# Altium PCB Mirny.PcbDoc (part 8 of 8)
Units mm, origin at the board's own origin, x right, y up, seen from the top; angles counter-clockwise.
Board outline 161.99 x 100.04 mm, 6 copper layers (L1, P2, L3, L4, P5, L6), stack 1.56 mm thick; 832 components, 485 nets, 2438 pads, 1482 vias.
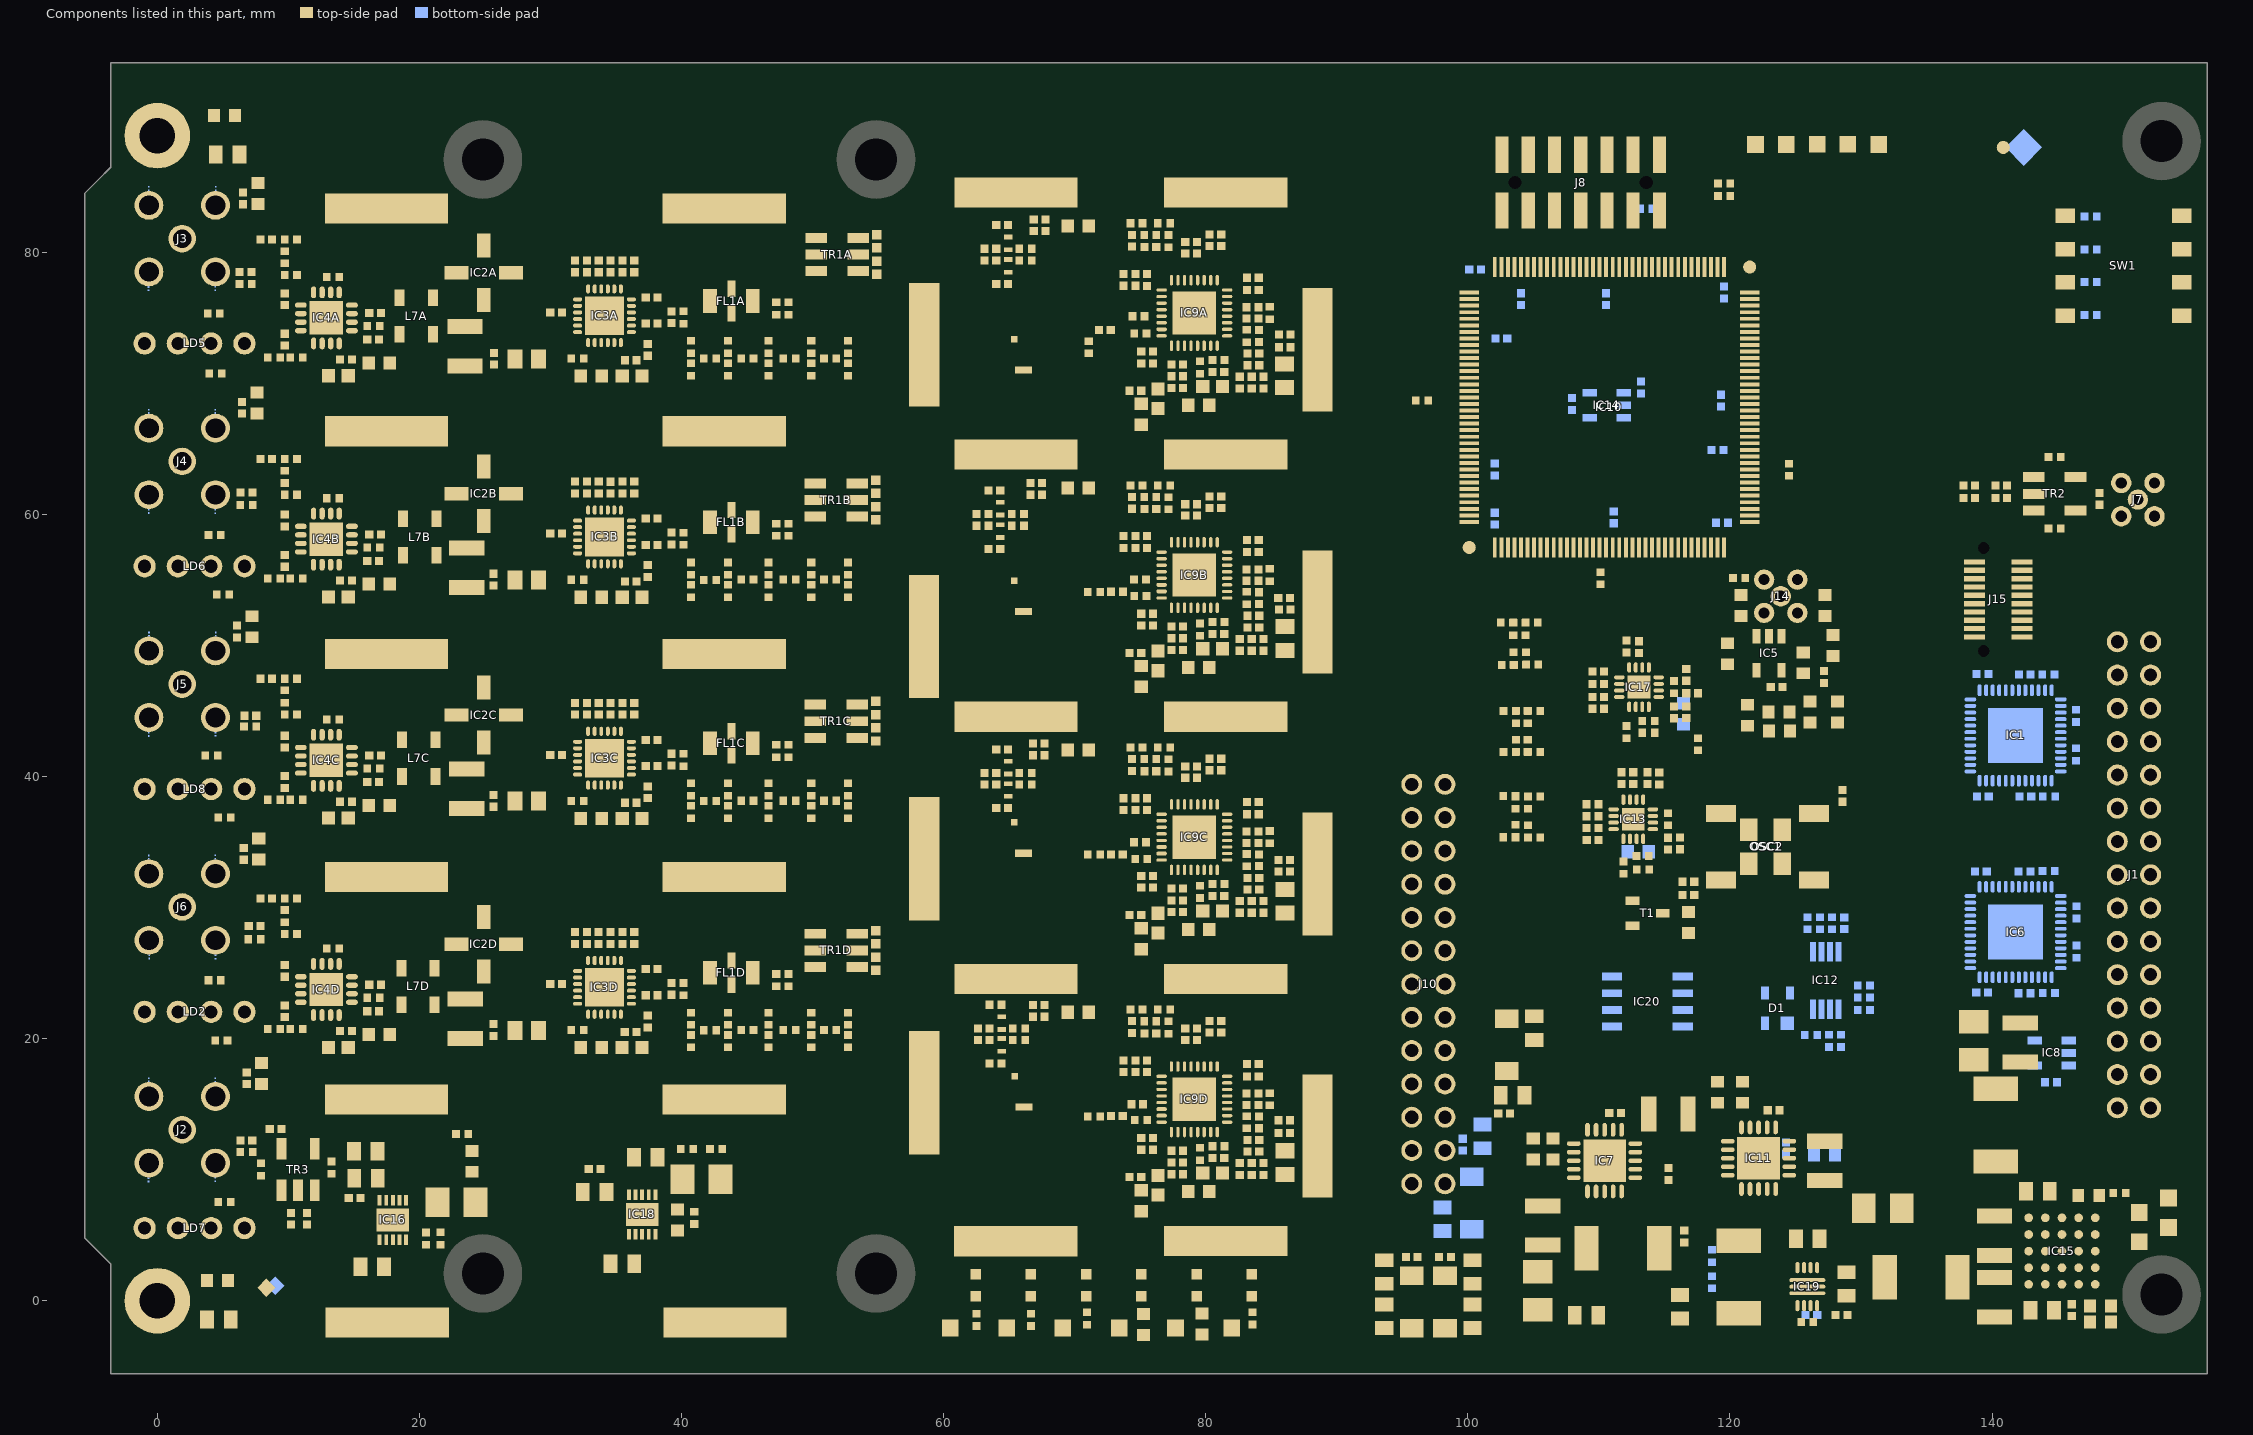
[diagram p12: the components of this part, seen from the top]

## Other copper (continued)
L6:
  rectangle net GND: 77.479,13.73 80.779,17.022
  rectangle net GND: 77.479,33.73 80.779,37.022
  rectangle net GND: 77.479,53.73 80.779,57.022
  rectangle net GND: 77.479,73.73 80.779,77.022
P2 (plane layer: these items are gaps in the copper):
  lines w0.5: 76.95,68.942 76.95,69.665

## Silkscreen, mask and mechanical layers (free items; w line width, h text height)
Top Overlay:
  drawing of 1239 lines, arcs and shapes, not listed
  text "TP0" at 121.022,89.6 h0.76
  text "TP4" at 130.343,89.561 h0.76
  text "TP2" at 125.562,89.544 h0.76
  text "G" at 4.623,88.43 h1.02
  text "To float SMA / grounds remove / 0R resistors / (G)" at 7.671,86.338 h1.02
  text "TP3" at 127.945,86.136 h0.76
  text "TP1" at 123.453,86.092 h0.76
  text "MODE" at 145.473,85.636 h0.76
  text "JTAG" at 93.841,85.065 h1.52
  text "G" at 8.315,84.115 h1.02
  text "RF OUT 0" at 5.775,81.572 h0.76
  text "Mirny v1.1.4" at 127.493,73.353 h1.5
  text "WUT ISE 2023" at 128.913,70.453 h1.02
  text "G" at 8.262,67.912 h1.02
  text "INT CLK IN" at 145.397,65.332 h1
  text "RF OUT 1" at 5.775,64.889 h0.76
  text "EEM 0" at 146.811,55.888 h1.52
  text "G" at 7.792,50.894 h1.02
  text "RF OUT 2" at 5.775,48.04 h0.76
  text "G" at 8.307,33.784 h1.02
  text "RF OUT 3" at 5.775,31.31 h0.76
  text "AFE / Header" at 102.126,27.388 h0.76
  text "G" at 8.574,16.873 h1.02
  text "EXT CLK IN" at 5.228,13.701 h0.76
  text "P3V3A" at 103.764,8.167 h0.76
  text "P3V6" at 125.896,7.682 h0.76
  text "TP5" at 155.563,6.896 h0.76 r90
  text "P5V5A" at 118.944,5.966 h0.7
  text "TP9" at 149.786,5.245 h0.76 r90
  text "TP7" at 155.563,4.356 h0.76 r90
  text "TP6" at 149.786,2.709 h0.76 r90
  text "G" at 4.223,-0.513 h1.02
  text "P3V3" at 67.834,-4.28 h0.76
  text "P5V0A" at 72.042,-4.28 h0.76
  text "P3V3_MP" at 56.63,-4.407 h0.76
  text "P3V3A" at 62.774,-4.407 h0.76
  text "P7V0" at 77.122,-4.407 h0.76
  text "P12V0" at 81.376,-4.47 h0.76
Bottom Overlay:
  drawing of 1277 lines, arcs and shapes, not listed
  text "Mirny v1.1.4" at 140.958,73.057 h1.5
  text "WUT ISE 2023" at 139.682,70.491 h1.02
  text "to isolate SMAs, cut traces marked x and remove \"G\" resistors on top layer" at 13.336,13.459 h0.8 r270
Mechanical 1:
  drawing of 409 lines, arcs and shapes, not listed
  text "Layer" at 14.685,151.059 h1.52
  text "Name" at 25.097,151.059 h1.52
  text "Material" at 48.713,151.059 h1.52
  text "Thickness" at 70.551,151.059 h1.52
  text "Constant" at 87.057,151.059 h1.52
  text "Board Layer Stack" at 101.531,151.059 h1.52
  text "Top Overlay" at 25.097,148.011 h1.52
  text "Top Solder" at 25.097,144.963 h1.52
  text "Solder Resist" at 48.713,144.963 h1.52
  text "0.034mm" at 70.551,144.963 h1.52
  text "3.5" at 87.057,144.963 h1.52
  text "1" at 14.685,141.915 h1.52
  text "L1" at 25.097,141.915 h1.52
  text "Copper" at 48.713,141.915 h1.52
  text "0.050mm" at 70.551,141.915 h1.52
  text "Dielectric1" at 25.097,138.867 h1.52
  text "PP-021" at 48.713,138.867 h1.52
  text "0.180mm" at 70.551,138.867 h1.52
  text "4.7" at 87.057,138.867 h1.52
  text "2" at 14.685,135.819 h1.52
  text "P2" at 25.097,135.819 h1.52
  text "Copper" at 48.713,135.819 h1.52
  text "0.035mm" at 70.551,135.819 h1.52
  text "Dielectric 2" at 25.097,132.771 h1.52
  text "Core-021" at 48.713,132.771 h1.52
  text "0.180mm" at 70.551,132.771 h1.52
  text "4.1" at 87.057,132.771 h1.52
  text "3" at 14.685,129.723 h1.52
  text "L3" at 25.097,129.723 h1.52
  text "Copper" at 48.713,129.723 h1.52
  text "0.035mm" at 70.551,129.723 h1.52
  text "Dielectric 4" at 25.097,126.675 h1.52
  text "FR4" at 48.713,126.675 h1.52
  text "0.600mm" at 70.551,126.675 h1.52
  text "4.1" at 87.057,126.675 h1.52
  text "4" at 14.685,123.627 h1.52
  text "L4" at 25.097,123.627 h1.52
  text "Copper" at 48.713,123.627 h1.52
  text "0.035mm" at 70.551,123.627 h1.52
  text "Dielectric 1" at 25.097,120.579 h1.52
  text "Core-021" at 48.713,120.579 h1.52
  text "0.180mm" at 70.551,120.579 h1.52
  text "4.1" at 87.057,120.579 h1.52
  text "5" at 14.685,117.531 h1.52
  text "P5" at 25.097,117.531 h1.52
  text "Copper" at 48.713,117.531 h1.52
  text "0.035mm" at 70.551,117.531 h1.52
  text "Dielectric 3" at 25.097,114.483 h1.52
  text "PP-021" at 48.713,114.483 h1.52
  text "0.180mm" at 70.551,114.483 h1.52
  text "4.7" at 87.057,114.483 h1.52
  text "6" at 14.685,111.435 h1.52
  text "L6" at 25.097,111.435 h1.52
  text "Copper" at 48.713,111.435 h1.52
  text "0.050mm" at 70.551,111.435 h1.52
  text "Bottom Solder" at 25.097,108.387 h1.52
  text "Solder Resist" at 48.713,108.387 h1.52
  text "0.034mm" at 70.551,108.387 h1.52
  text "3.5" at 87.057,108.387 h1.52
  text "Bottom Overlay" at 25.097,105.339 h1.52
  text "All vias must be fileld with resin and capped with copper" at 10.604,98.494 h3
Mechanical 2:
  lines w0.01: -4.891,-5.512 -3.556,-5.512 ; -3.556,-6.354 -3.556,-5.512 ; -3.556,-4.624 -3.556,-5.512 ; -2.266,-5.512 -3.556,-5.512 ; -1.335,0 0,0 ; 0,-0.843 0,0 ; 0,0.887 0,0 ; 1.29,0 0,0 ; 61.705,34.149 63.04,34.149 ; 61.706,52.583 63.041,52.583 ; 61.705,71.01 63.04,71.01 ; 61.744,14.783 63.079,14.783 ; 63.04,33.306 63.04,34.149 ; 63.04,35.036 63.04,34.149 ; 63.041,51.74 63.041,52.583 ; 63.041,53.47 63.041,52.583 ; 63.04,70.167 63.04,71.01 ; 63.04,71.897 63.04,71.01 ; 63.079,13.94 63.079,14.783 ; 63.079,15.67 63.079,14.783 ; 64.33,34.149 63.04,34.149 ; 64.33,71.01 63.04,71.01 ; 64.331,52.583 63.041,52.583 ; 64.368,14.783 63.079,14.783 ; 93.788,39.409 95.719,39.409 ; 95.699,39.409 98.259,39.409 ; 95.719,37.237 95.719,39.409 ; 95.719,42.456 95.719,39.409
SHIELD:
  lines w1: 58.528,15.359 6.528,15.359 ; 58.528,32.359 6.528,32.359 ; 58.528,49.359 6.528,49.359 ; 58.528,66.359 6.528,66.359 ; 58.528,83.359 19.528,83.359 6.528,83.359 6.528,66.359 ; 6.528,15.359 6.528,-1.641 58.528,-1.641 58.528,4.567 ; 6.528,15.359 6.528,32.359 ; 6.528,32.359 6.528,49.359 ; 6.528,49.359 6.528,66.359 ; 58.528,4.567 88.528,4.567 88.528,24.567 ; 58.528,4.567 58.528,24.567 ; 58.528,24.567 88.528,24.567 ; 58.528,24.567 58.528,44.567 ; 58.528,44.567 88.528,44.567 ; 58.528,44.567 58.528,64.567 ; 58.528,64.567 88.528,64.567 ; 58.528,64.567 58.528,84.567 88.528,84.567 88.528,64.567 ; 88.528,24.567 88.528,44.567 ; 88.528,44.567 88.528,64.567
Mechanical 13:
  lines w0.152: -8.6,-19.75 -8.6,112.863 ; -6.1,-19.75 -6.1,112.863

## Text inside footprints (layer, text, board x,y; h text height)
FL1A: Drill Drawing "Filled and" at 46.198,76.089 h0.5 r180; Drill Drawing "capped via" at 46.248,76.839 h0.5 r180
FL1B: Drill Drawing "Filled and" at 46.198,59.21 h0.5 r180; Drill Drawing "capped via" at 46.248,59.96 h0.5 r180
FL1C: Drill Drawing "Filled and" at 46.198,42.331 h0.5 r180; Drill Drawing "capped via" at 46.248,43.081 h0.5 r180
FL1D: Drill Drawing "Filled and" at 46.196,24.843 h0.5 r180; Drill Drawing "capped via" at 46.246,25.593 h0.5 r180
J1: Top Overlay "30" at 153.495,15.362 h1.02 r270; Mechanical 14 "30" at 153.495,15.362 h1.02 r270
J10: Top Overlay "26" at 99.656,9.564 h1.02 r270; Mechanical 14 "26" at 99.656,9.564 h1.02 r270
SW1: Top Overlay "4" at 152.691,82.412 h1 r90; Top Overlay "3" at 152.691,79.872 h1 r90; Top Overlay "ON" at 148.246,74.284 h1 r90; Top Overlay "2" at 152.691,77.332 h1 r90; Top Overlay "1" at 152.691,75.046 h1 r90; Mechanical 14 "4" at 152.691,82.412 h1 r90; Mechanical 14 "3" at 152.691,79.872 h1 r90; Mechanical 14 "ON" at 148.246,74.284 h1 r90; Mechanical 14 "2" at 152.691,77.332 h1 r90; Mechanical 14 "1" at 152.691,75.046 h1 r90